# Altium PCB PCB_3_3G_wireless.PcbDoc (part 1 of 6)
Units mm, origin at the board's own origin, x right, y up, seen from the top; angles counter-clockwise.
Board outline 800 x 450.44 mm, 4 copper layers (Top Layer, Y1, S2, Bottom Layer), stack 0.778 mm thick; 1293 components, 1283 nets, 3356 pads, 970 vias.
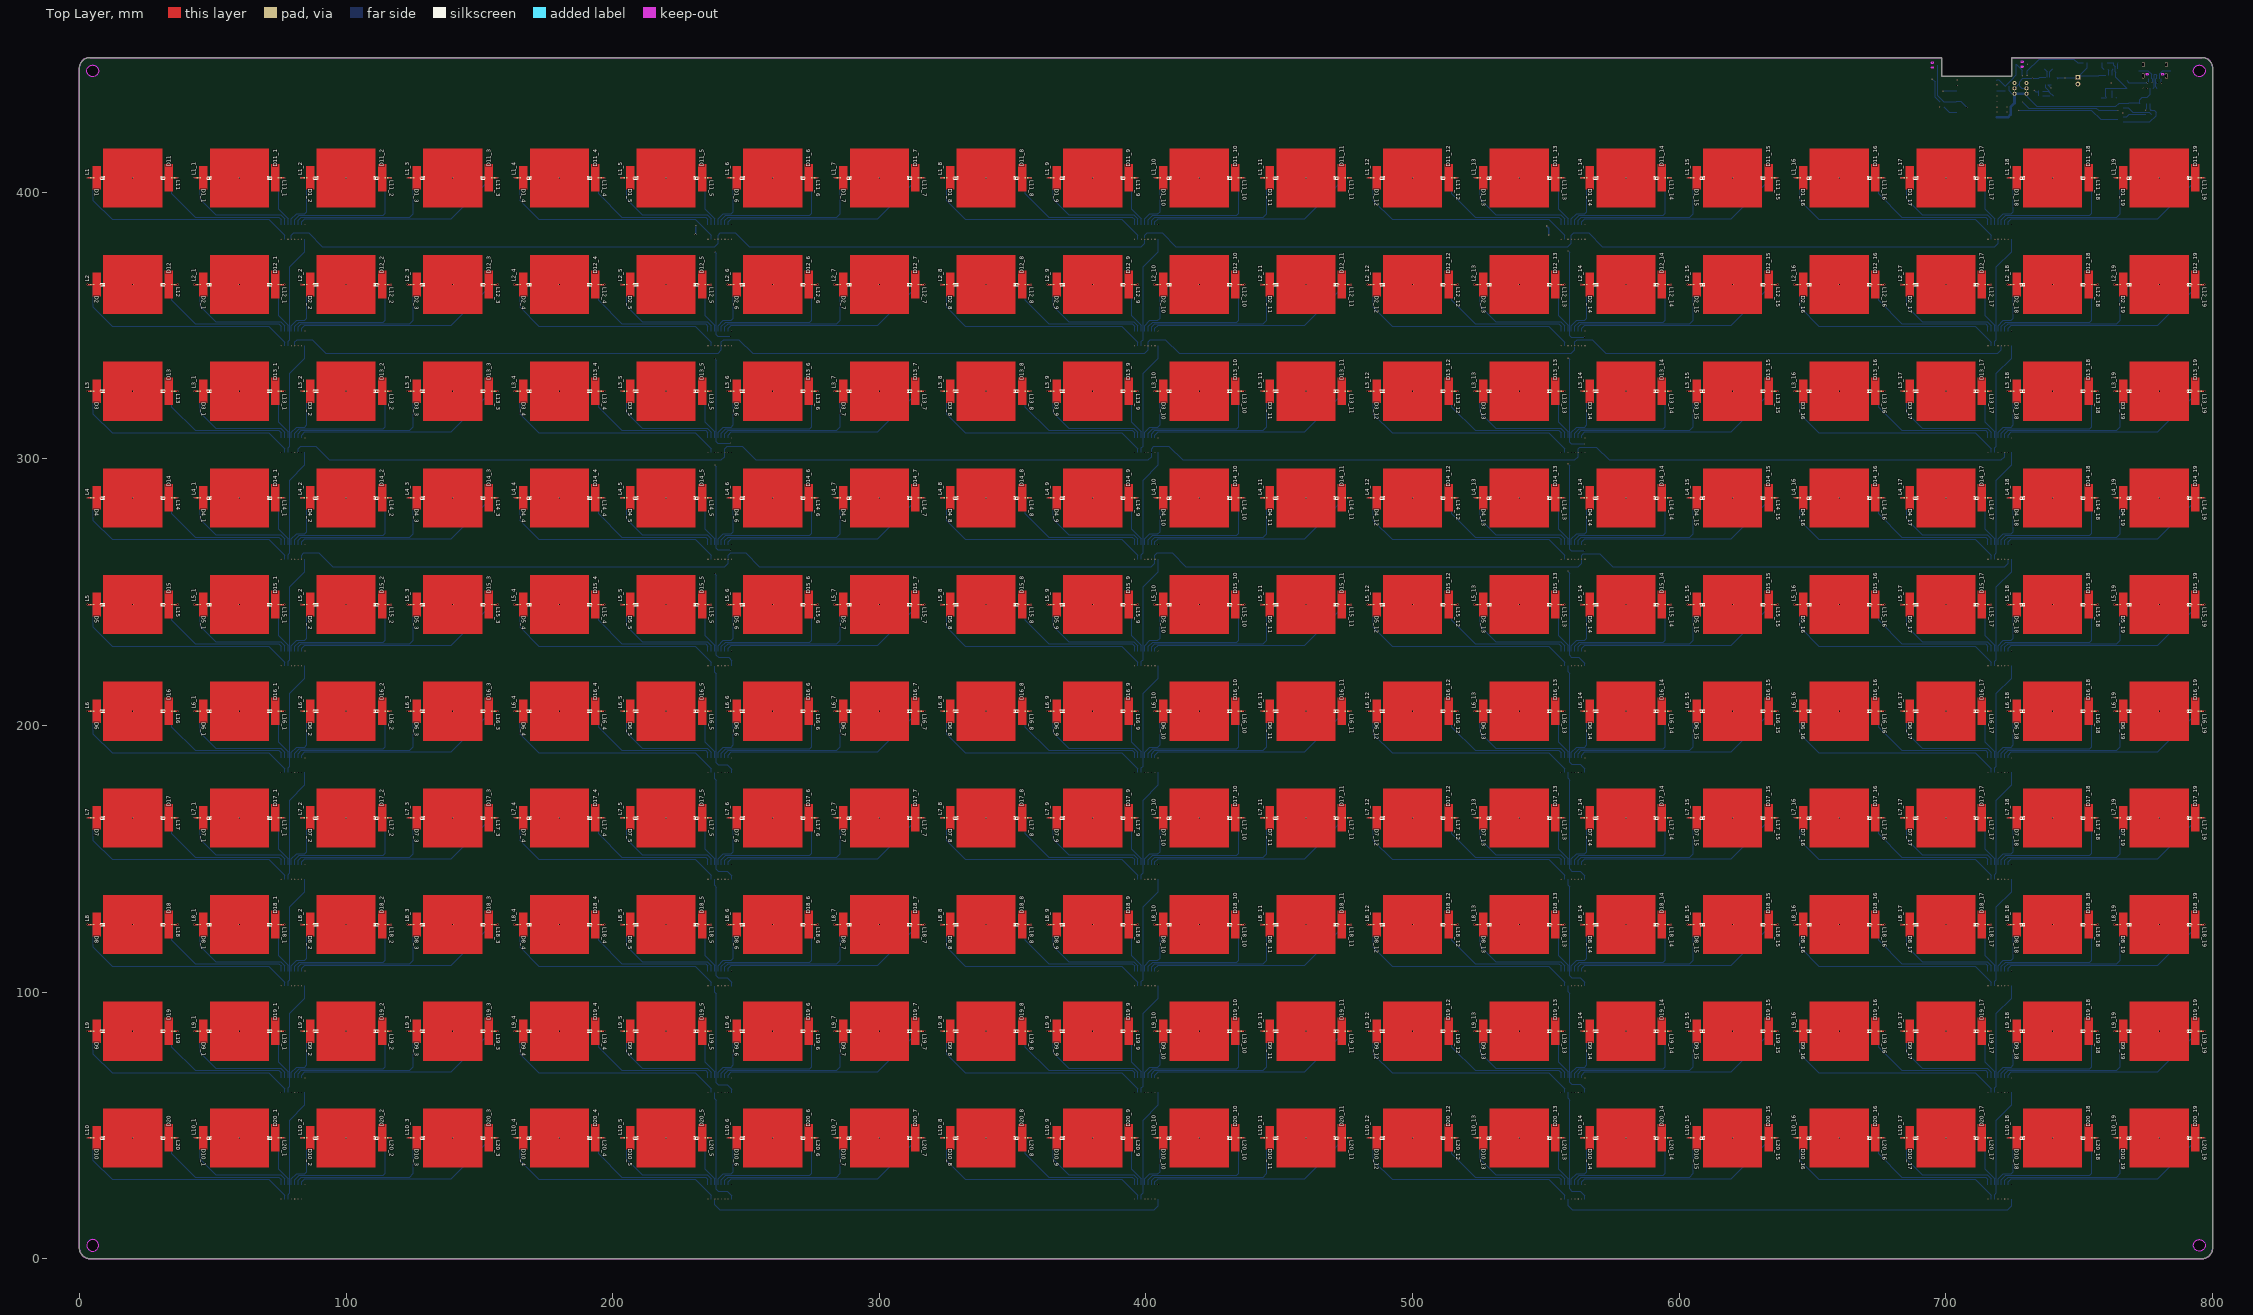
[diagram p0: Top Layer view]
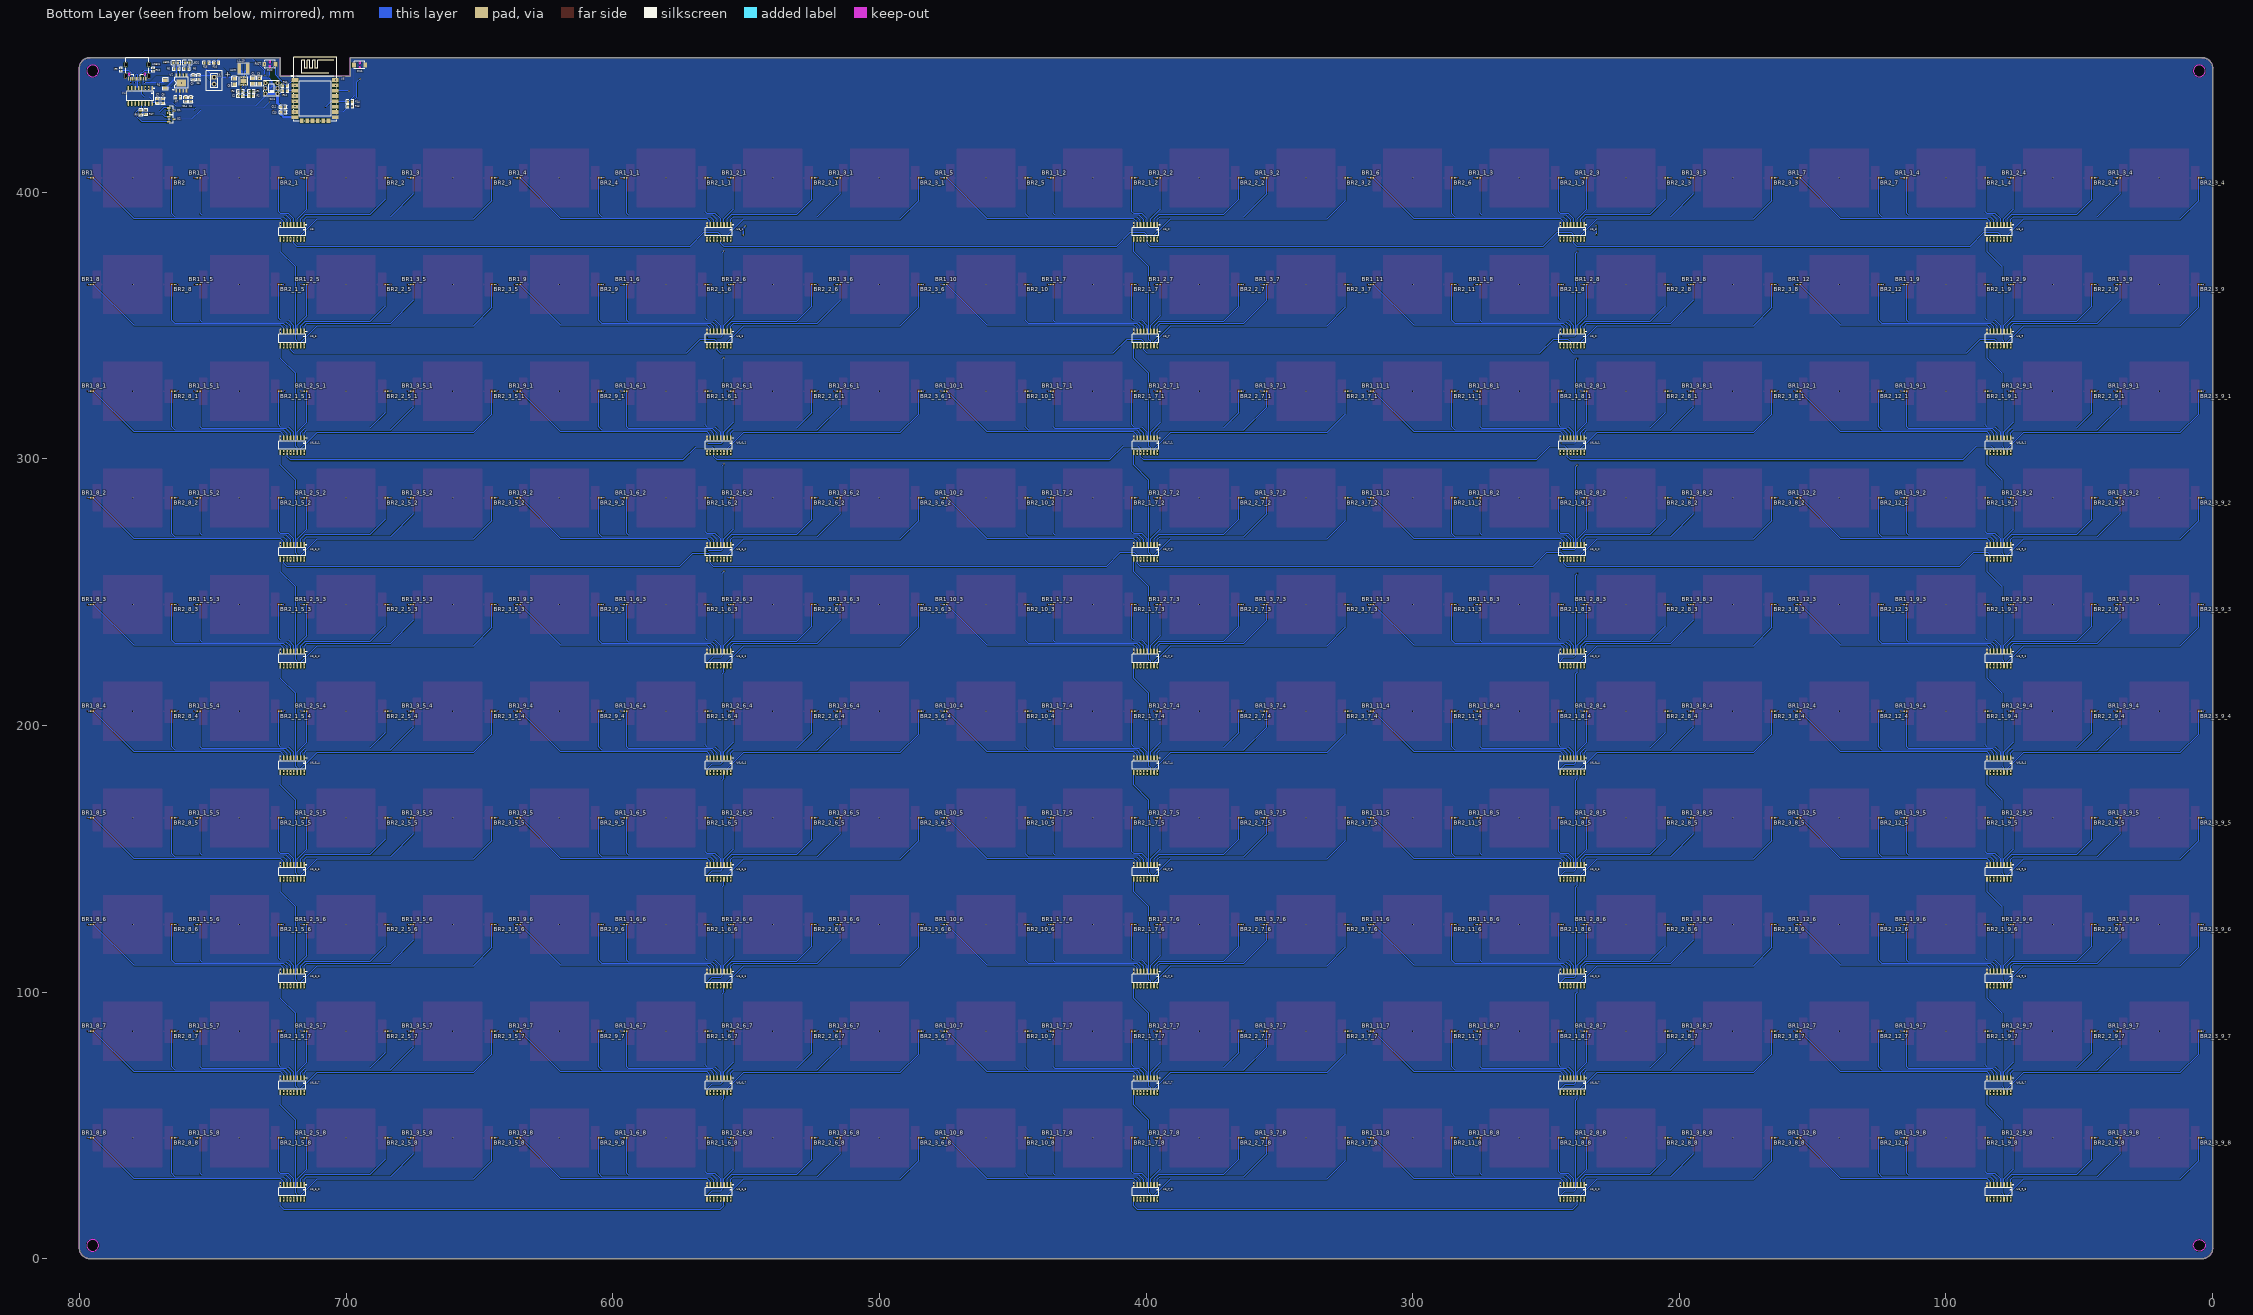
[diagram p1: Bottom Layer view, seen from below]
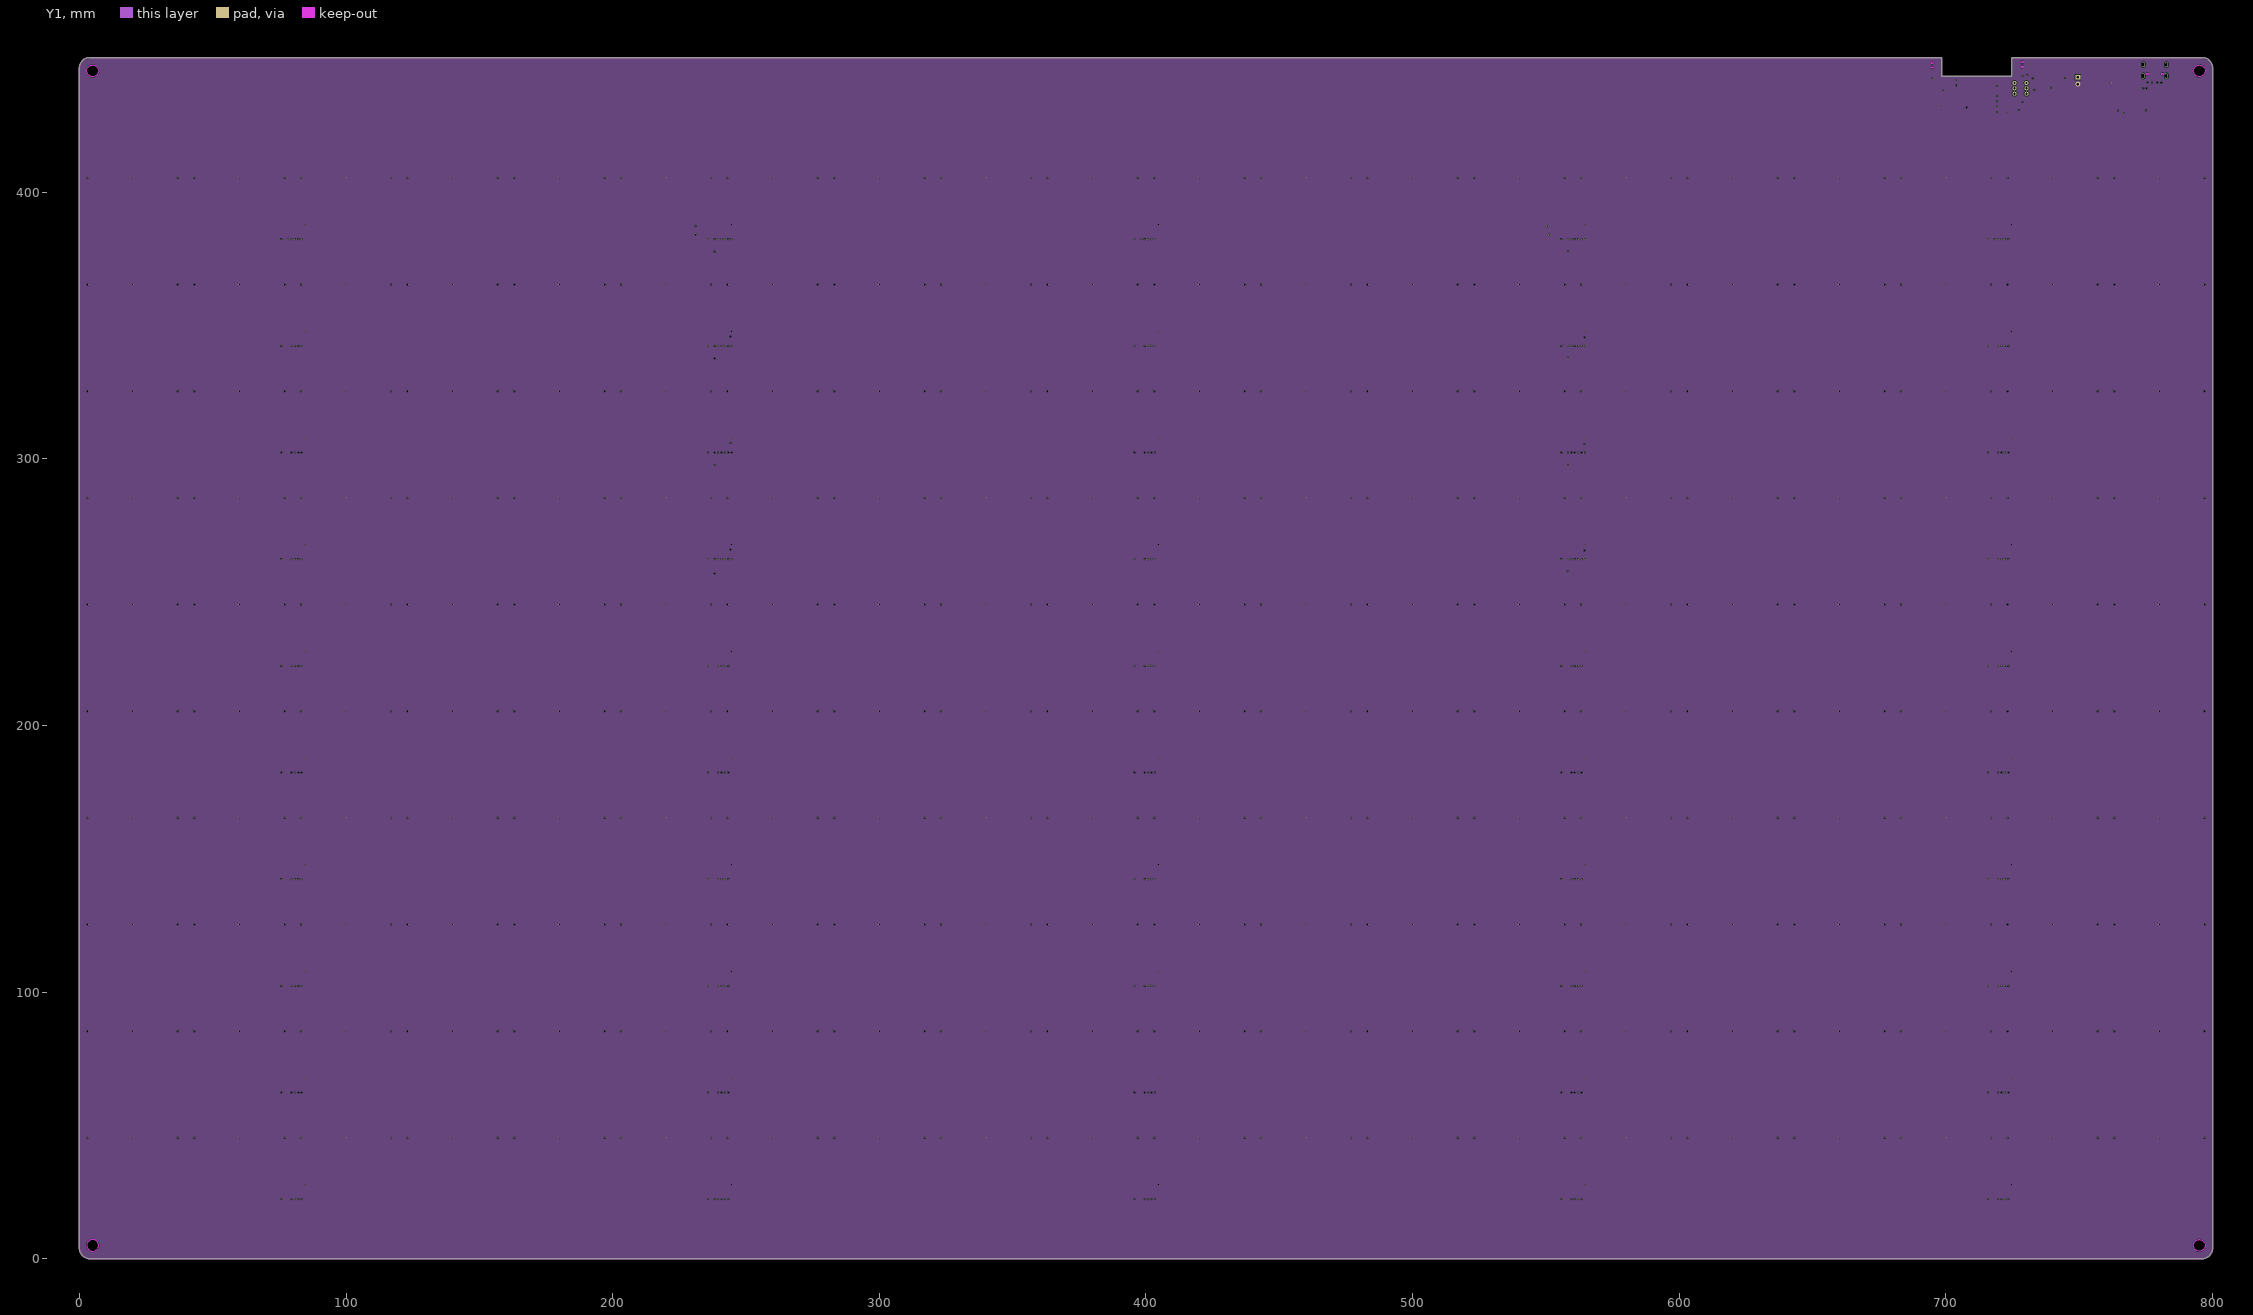
[diagram p2: Y1]
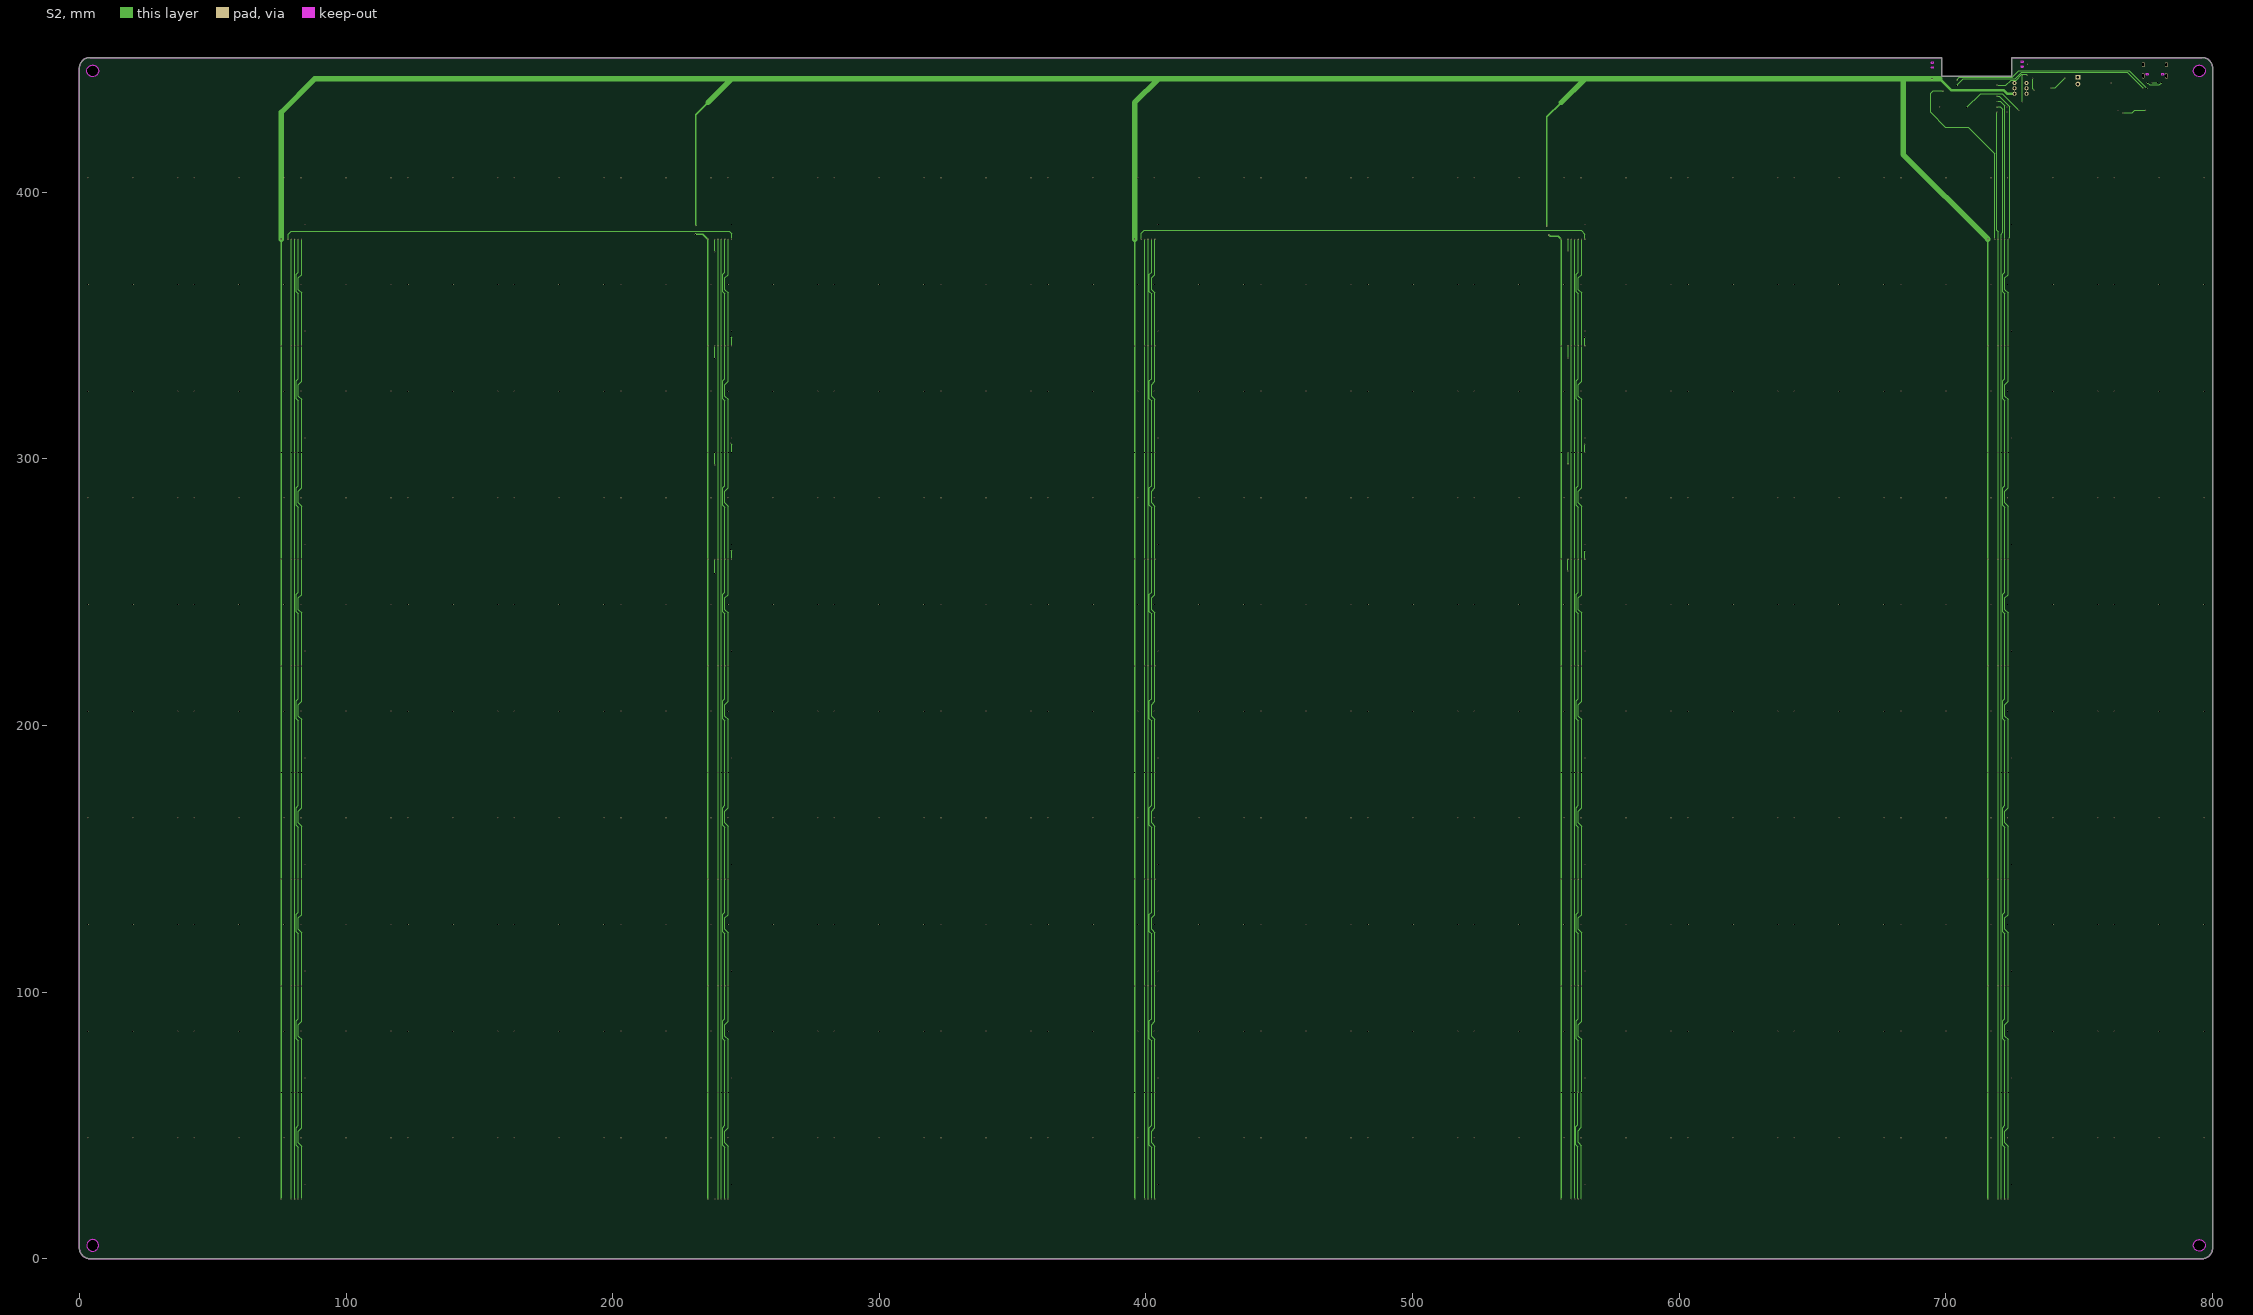
[diagram p3: S2]

## Layer stack, top to bottom
Top Solder: solder mask 0.0102, Solder Resist, Dk 3.5
Top Layer: signal copper 0.0356
Dielectric 1: core 0.254, FR-4, Dk 4.2
Y1: signal copper 0.036
Dielectric 2: core 0.254, Dk 4.2
S2: signal copper 0.036
Dielectric 3: prepreg 0.127, Dk 4.2
Bottom Layer: signal copper 0.0356
Bottom Solder: solder mask 0.0102, Solder Resist, Dk 3.5

## Board outline
0,4 0,446.444 cw(c4,446.444) 4,450.444 698.43,450.444 698.43,443.494 724.686,443.494 724.686,450.317 724.813,450.444 796,450.444 cw(c796,446.444) 800,446.444 800,4 cw(c796,4) 796,0 4,0 cw(c4,4)
cut-out: 795,443.244 cw(c795,445.444) 792.8,445.444 cw(c795,445.444) 795,447.644 cw(c795,445.444) 797.2,445.444 cw(c795,445.444)
cut-out: 795,2.8 cw(c795,5) 792.8,5 cw(c795,5) 795,7.2 cw(c795,5) 797.2,5 cw(c795,5)
cut-out: 2.8,5 ccw(c5,5) 5,2.8 ccw(c5,5) 7.2,5 ccw(c5,5) 5,7.2 ccw(c5,5)
cut-out: 5,443.244 cw(c5,445.444) 2.8,445.444 cw(c5,445.444) 5,447.644 cw(c5,445.444) 7.2,445.444 cw(c5,445.444)
cut-out: 781.228,443.808 cw(c781.228,444.195) 780.841,444.195 cw(c781.228,444.195) 781.228,444.582 cw(c781.228,444.195) 781.615,444.195 cw(c781.228,444.195)
cut-out: 775.462,443.808 cw(c775.462,444.195) 775.075,444.195 cw(c775.462,444.195) 775.462,444.582 cw(c775.462,444.195) 775.849,444.195 cw(c775.462,444.195)
cut-out: 728.523,448.457 cw(c728.523,448.843) 728.136,448.843 cw(c728.523,448.843) 728.523,449.23 cw(c728.523,448.843) 728.91,448.843 cw(c728.523,448.843)
cut-out: 728.523,446.653 cw(c728.523,447.04) 728.136,447.04 cw(c728.523,447.04) 728.523,447.427 cw(c728.523,447.04) 728.91,447.04 cw(c728.523,447.04)

## Design rules (kind name [scope] priority, off if disabled: settings)
Clearance [All] p1: gap=0.254 except(0.1: Via-Poly; 0.127: Track-Track Track-SMDPad Track-THPad Track-Via SMDPad-SMDPad)
MinimumSolderMaskSliver [All] p1: minsoldermaskwidth=0
PolygonConnect [All] p1: connectstyle=Direct reliefconductorwidth=0.254 reliefentries=4 polygonreliefangle="90 Angle" airgapwidth=0.254
RoutingVias [All] p1: holewidth=0.711 width=1.27 viastyle="Through Hole" minholewidth=0.711 minwidth=1.27 maxholewidth=0.711 maxwidth=1.27
SilkToSilkClearance [All] p1: silktosilkclearance=0.025
SilkToSolderMaskClearance [IsPad] p1: minsilkscreentomaskgap=0 clearancetoexposedcopper=TRUE
SolderMaskExpansion [All] p1: expansion=0.102
Width [All] p1: maxlimit=2 minlimit=0.127 preferedwidth=0.254
27 further rules are at their usual default settings.

## Components (designator, comment, footprint, x,y, rotation, side; value= is the part's Value field where it differs from the comment)
BR1 "Comment" 0402 795.223,405.308 r0 bottom
BR1_1 "Comment" 0402 755.223,405.308 r0 bottom
BR1_1_1 "Comment" 0402 595.223,405.308 r0 bottom
BR1_1_2 "Comment" 0402 435.223,405.308 r0 bottom
BR1_1_3 "Comment" 0402 275.223,405.308 r0 bottom
BR1_1_4 "Comment" 0402 115.223,405.308 r0 bottom
BR1_1_5 "Comment" 0402 755.223,365.308 r0 bottom
BR1_1_5_1 "Comment" 0402 755.223,325.308 r0 bottom
BR1_1_5_2 "Comment" 0402 755.223,285.308 r0 bottom
BR1_1_5_3 "Comment" 0402 755.223,245.308 r0 bottom
BR1_1_5_4 "Comment" 0402 755.223,205.308 r0 bottom
BR1_1_5_5 "Comment" 0402 755.223,165.308 r0 bottom
BR1_1_5_6 "Comment" 0402 755.223,125.308 r0 bottom
BR1_1_5_7 "Comment" 0402 755.223,85.308 r0 bottom
BR1_1_5_8 "Comment" 0402 755.223,45.308 r0 bottom
BR1_1_6 "Comment" 0402 595.223,365.308 r0 bottom
BR1_1_6_1 "Comment" 0402 595.223,325.308 r0 bottom
BR1_1_6_2 "Comment" 0402 595.223,285.308 r0 bottom
BR1_1_6_3 "Comment" 0402 595.223,245.308 r0 bottom
BR1_1_6_4 "Comment" 0402 595.223,205.308 r0 bottom
BR1_1_6_5 "Comment" 0402 595.223,165.308 r0 bottom
BR1_1_6_6 "Comment" 0402 595.223,125.308 r0 bottom
BR1_1_6_7 "Comment" 0402 595.223,85.308 r0 bottom
BR1_1_6_8 "Comment" 0402 595.223,45.308 r0 bottom
BR1_1_7 "Comment" 0402 435.223,365.308 r0 bottom
BR1_1_7_1 "Comment" 0402 435.223,325.308 r0 bottom
BR1_1_7_2 "Comment" 0402 435.223,285.308 r0 bottom
BR1_1_7_3 "Comment" 0402 435.223,245.308 r0 bottom
BR1_1_7_4 "Comment" 0402 435.223,205.308 r0 bottom
BR1_1_7_5 "Comment" 0402 435.223,165.308 r0 bottom
BR1_1_7_6 "Comment" 0402 435.223,125.308 r0 bottom
BR1_1_7_7 "Comment" 0402 435.223,85.308 r0 bottom
BR1_1_7_8 "Comment" 0402 435.223,45.308 r0 bottom
BR1_1_8 "Comment" 0402 275.223,365.308 r0 bottom
BR1_1_8_1 "Comment" 0402 275.223,325.308 r0 bottom
BR1_1_8_2 "Comment" 0402 275.223,285.308 r0 bottom
BR1_1_8_3 "Comment" 0402 275.223,245.308 r0 bottom
BR1_1_8_4 "Comment" 0402 275.223,205.308 r0 bottom
BR1_1_8_5 "Comment" 0402 275.223,165.308 r0 bottom
BR1_1_8_6 "Comment" 0402 275.223,125.308 r0 bottom
BR1_1_8_7 "Comment" 0402 275.223,85.308 r0 bottom
BR1_1_8_8 "Comment" 0402 275.223,45.308 r0 bottom
BR1_1_9 "Comment" 0402 115.223,365.308 r0 bottom
BR1_1_9_1 "Comment" 0402 115.223,325.308 r0 bottom
BR1_1_9_2 "Comment" 0402 115.223,285.308 r0 bottom
BR1_1_9_3 "Comment" 0402 115.223,245.308 r0 bottom
BR1_1_9_4 "Comment" 0402 115.223,205.308 r0 bottom
BR1_1_9_5 "Comment" 0402 115.223,165.308 r0 bottom
BR1_1_9_6 "Comment" 0402 115.223,125.308 r0 bottom
BR1_1_9_7 "Comment" 0402 115.223,85.308 r0 bottom
BR1_1_9_8 "Comment" 0402 115.223,45.308 r0 bottom
BR1_2 "Comment" 0402 715.223,405.308 r0 bottom
BR1_2_1 "Comment" 0402 555.223,405.308 r0 bottom
BR1_2_2 "Comment" 0402 395.223,405.308 r0 bottom
BR1_2_3 "Comment" 0402 235.223,405.308 r0 bottom
BR1_2_4 "Comment" 0402 75.223,405.308 r0 bottom
BR1_2_5 "Comment" 0402 715.223,365.308 r0 bottom
BR1_2_5_1 "Comment" 0402 715.223,325.308 r0 bottom
BR1_2_5_2 "Comment" 0402 715.223,285.308 r0 bottom
BR1_2_5_3 "Comment" 0402 715.223,245.308 r0 bottom
BR1_2_5_4 "Comment" 0402 715.223,205.308 r0 bottom
BR1_2_5_5 "Comment" 0402 715.223,165.308 r0 bottom
BR1_2_5_6 "Comment" 0402 715.223,125.308 r0 bottom
BR1_2_5_7 "Comment" 0402 715.223,85.308 r0 bottom
BR1_2_5_8 "Comment" 0402 715.223,45.308 r0 bottom
BR1_2_6 "Comment" 0402 555.223,365.308 r0 bottom
BR1_2_6_1 "Comment" 0402 555.223,325.308 r0 bottom
BR1_2_6_2 "Comment" 0402 555.223,285.308 r0 bottom
BR1_2_6_3 "Comment" 0402 555.223,245.308 r0 bottom
BR1_2_6_4 "Comment" 0402 555.223,205.308 r0 bottom
BR1_2_6_5 "Comment" 0402 555.223,165.308 r0 bottom
BR1_2_6_6 "Comment" 0402 555.223,125.308 r0 bottom
BR1_2_6_7 "Comment" 0402 555.223,85.308 r0 bottom
BR1_2_6_8 "Comment" 0402 555.223,45.308 r0 bottom
BR1_2_7 "Comment" 0402 395.223,365.308 r0 bottom
BR1_2_7_1 "Comment" 0402 395.223,325.308 r0 bottom
BR1_2_7_2 "Comment" 0402 395.223,285.308 r0 bottom
BR1_2_7_3 "Comment" 0402 395.223,245.308 r0 bottom
BR1_2_7_4 "Comment" 0402 395.223,205.308 r0 bottom
BR1_2_7_5 "Comment" 0402 395.223,165.308 r0 bottom
BR1_2_7_6 "Comment" 0402 395.223,125.308 r0 bottom
BR1_2_7_7 "Comment" 0402 395.223,85.308 r0 bottom
BR1_2_7_8 "Comment" 0402 395.223,45.308 r0 bottom
BR1_2_8 "Comment" 0402 235.223,365.308 r0 bottom
BR1_2_8_1 "Comment" 0402 235.223,325.308 r0 bottom
BR1_2_8_2 "Comment" 0402 235.223,285.308 r0 bottom
BR1_2_8_3 "Comment" 0402 235.223,245.308 r0 bottom
BR1_2_8_4 "Comment" 0402 235.223,205.308 r0 bottom
BR1_2_8_5 "Comment" 0402 235.223,165.308 r0 bottom
BR1_2_8_6 "Comment" 0402 235.223,125.308 r0 bottom
BR1_2_8_7 "Comment" 0402 235.223,85.308 r0 bottom
BR1_2_8_8 "Comment" 0402 235.223,45.308 r0 bottom
BR1_2_9 "Comment" 0402 75.223,365.308 r0 bottom
BR1_2_9_1 "Comment" 0402 75.223,325.308 r0 bottom
BR1_2_9_2 "Comment" 0402 75.223,285.308 r0 bottom
BR1_2_9_3 "Comment" 0402 75.223,245.308 r0 bottom
BR1_2_9_4 "Comment" 0402 75.223,205.308 r0 bottom
BR1_2_9_5 "Comment" 0402 75.223,165.308 r0 bottom
BR1_2_9_6 "Comment" 0402 75.223,125.308 r0 bottom
BR1_2_9_7 "Comment" 0402 75.223,85.308 r0 bottom
BR1_2_9_8 "Comment" 0402 75.223,45.308 r0 bottom
BR1_3 "Comment" 0402 675.223,405.308 r0 bottom
BR1_3_1 "Comment" 0402 515.223,405.308 r0 bottom
BR1_3_2 "Comment" 0402 355.223,405.308 r0 bottom
BR1_3_3 "Comment" 0402 195.223,405.308 r0 bottom
BR1_3_4 "Comment" 0402 35.223,405.308 r0 bottom
BR1_3_5 "Comment" 0402 675.223,365.308 r0 bottom
BR1_3_5_1 "Comment" 0402 675.223,325.308 r0 bottom
BR1_3_5_2 "Comment" 0402 675.223,285.308 r0 bottom
BR1_3_5_3 "Comment" 0402 675.223,245.308 r0 bottom
BR1_3_5_4 "Comment" 0402 675.223,205.308 r0 bottom
BR1_3_5_5 "Comment" 0402 675.223,165.308 r0 bottom
BR1_3_5_6 "Comment" 0402 675.223,125.308 r0 bottom
BR1_3_5_7 "Comment" 0402 675.223,85.308 r0 bottom
BR1_3_5_8 "Comment" 0402 675.223,45.308 r0 bottom
BR1_3_6 "Comment" 0402 515.223,365.308 r0 bottom
BR1_3_6_1 "Comment" 0402 515.223,325.308 r0 bottom
BR1_3_6_2 "Comment" 0402 515.223,285.308 r0 bottom
BR1_3_6_3 "Comment" 0402 515.223,245.308 r0 bottom
BR1_3_6_4 "Comment" 0402 515.223,205.308 r0 bottom
BR1_3_6_5 "Comment" 0402 515.223,165.308 r0 bottom
BR1_3_6_6 "Comment" 0402 515.223,125.308 r0 bottom
BR1_3_6_7 "Comment" 0402 515.223,85.308 r0 bottom
BR1_3_6_8 "Comment" 0402 515.223,45.308 r0 bottom
BR1_3_7 "Comment" 0402 355.223,365.308 r0 bottom
BR1_3_7_1 "Comment" 0402 355.223,325.308 r0 bottom
BR1_3_7_2 "Comment" 0402 355.223,285.308 r0 bottom
BR1_3_7_3 "Comment" 0402 355.223,245.308 r0 bottom
BR1_3_7_4 "Comment" 0402 355.223,205.308 r0 bottom
BR1_3_7_5 "Comment" 0402 355.223,165.308 r0 bottom
BR1_3_7_6 "Comment" 0402 355.223,125.308 r0 bottom
BR1_3_7_7 "Comment" 0402 355.223,85.308 r0 bottom
BR1_3_7_8 "Comment" 0402 355.223,45.308 r0 bottom
BR1_3_8 "Comment" 0402 195.223,365.308 r0 bottom
BR1_3_8_1 "Comment" 0402 195.223,325.308 r0 bottom
BR1_3_8_2 "Comment" 0402 195.223,285.308 r0 bottom
BR1_3_8_3 "Comment" 0402 195.223,245.308 r0 bottom
BR1_3_8_4 "Comment" 0402 195.223,205.308 r0 bottom
BR1_3_8_5 "Comment" 0402 195.223,165.308 r0 bottom
BR1_3_8_6 "Comment" 0402 195.223,125.308 r0 bottom
BR1_3_8_7 "Comment" 0402 195.223,85.308 r0 bottom
BR1_3_8_8 "Comment" 0402 195.223,45.308 r0 bottom
BR1_3_9 "Comment" 0402 35.223,365.308 r0 bottom
BR1_3_9_1 "Comment" 0402 35.223,325.308 r0 bottom
BR1_3_9_2 "Comment" 0402 35.223,285.308 r0 bottom
BR1_3_9_3 "Comment" 0402 35.223,245.308 r0 bottom
BR1_3_9_4 "Comment" 0402 35.223,205.308 r0 bottom
BR1_3_9_5 "Comment" 0402 35.223,165.308 r0 bottom
BR1_3_9_6 "Comment" 0402 35.223,125.308 r0 bottom
BR1_3_9_7 "Comment" 0402 35.223,85.308 r0 bottom
BR1_3_9_8 "Comment" 0402 35.223,45.308 r0 bottom
BR1_4 "Comment" 0402 635.223,405.308 r0 bottom
BR1_5 "Comment" 0402 475.223,405.308 r0 bottom
BR1_6 "Comment" 0402 315.223,405.308 r0 bottom
BR1_7 "Comment" 0402 155.223,405.308 r0 bottom
BR1_8 "Comment" 0402 795.223,365.308 r0 bottom
BR1_8_1 "Comment" 0402 795.223,325.308 r0 bottom
BR1_8_2 "Comment" 0402 795.223,285.308 r0 bottom
BR1_8_3 "Comment" 0402 795.223,245.308 r0 bottom
BR1_8_4 "Comment" 0402 795.223,205.308 r0 bottom
BR1_8_5 "Comment" 0402 795.223,165.308 r0 bottom
BR1_8_6 "Comment" 0402 795.223,125.308 r0 bottom
BR1_8_7 "Comment" 0402 795.223,85.308 r0 bottom
BR1_8_8 "Comment" 0402 795.223,45.308 r0 bottom
BR1_9 "Comment" 0402 635.223,365.308 r0 bottom
BR1_9_1 "Comment" 0402 635.223,325.308 r0 bottom
BR1_9_2 "Comment" 0402 635.223,285.308 r0 bottom
BR1_9_3 "Comment" 0402 635.223,245.308 r0 bottom
BR1_9_4 "Comment" 0402 635.223,205.308 r0 bottom
BR1_9_5 "Comment" 0402 635.223,165.308 r0 bottom
BR1_9_6 "Comment" 0402 635.223,125.308 r0 bottom
BR1_9_7 "Comment" 0402 635.223,85.308 r0 bottom
BR1_9_8 "Comment" 0402 635.223,45.308 r0 bottom
BR1_10 "Comment" 0402 475.223,365.308 r0 bottom
BR1_10_1 "Comment" 0402 475.223,325.308 r0 bottom
BR1_10_2 "Comment" 0402 475.223,285.308 r0 bottom
BR1_10_3 "Comment" 0402 475.223,245.308 r0 bottom
BR1_10_4 "Comment" 0402 475.223,205.308 r0 bottom
BR1_10_5 "Comment" 0402 475.223,165.308 r0 bottom
BR1_10_6 "Comment" 0402 475.223,125.308 r0 bottom
BR1_10_7 "Comment" 0402 475.223,85.308 r0 bottom
BR1_10_8 "Comment" 0402 475.223,45.308 r0 bottom
BR1_11 "Comment" 0402 315.223,365.308 r0 bottom
BR1_11_1 "Comment" 0402 315.223,325.308 r0 bottom
BR1_11_2 "Comment" 0402 315.223,285.308 r0 bottom
BR1_11_3 "Comment" 0402 315.223,245.308 r0 bottom
BR1_11_4 "Comment" 0402 315.223,205.308 r0 bottom
BR1_11_5 "Comment" 0402 315.223,165.308 r0 bottom
BR1_11_6 "Comment" 0402 315.223,125.308 r0 bottom
BR1_11_7 "Comment" 0402 315.223,85.308 r0 bottom
BR1_11_8 "Comment" 0402 315.223,45.308 r0 bottom
BR1_12 "Comment" 0402 155.223,365.308 r0 bottom
BR1_12_1 "Comment" 0402 155.223,325.308 r0 bottom
BR1_12_2 "Comment" 0402 155.223,285.308 r0 bottom
BR1_12_3 "Comment" 0402 155.223,245.308 r0 bottom
BR1_12_4 "Comment" 0402 155.223,205.308 r0 bottom
BR1_12_5 "Comment" 0402 155.223,165.308 r0 bottom
BR1_12_6 "Comment" 0402 155.223,125.308 r0 bottom
BR1_12_7 "Comment" 0402 155.223,85.308 r0 bottom
BR1_12_8 "Comment" 0402 155.223,45.308 r0 bottom
BR2 "Comment" 0402 764.776,405.308 r180 bottom
BR2_1 "Comment" 0402 724.776,405.308 r180 bottom
BR2_1_1 "Comment" 0402 564.776,405.308 r180 bottom
BR2_1_2 "Comment" 0402 404.776,405.308 r180 bottom
BR2_1_3 "Comment" 0402 244.776,405.308 r180 bottom
BR2_1_4 "Comment" 0402 84.776,405.308 r180 bottom
BR2_1_5 "Comment" 0402 724.776,365.308 r180 bottom
BR2_1_5_1 "Comment" 0402 724.776,325.308 r180 bottom
BR2_1_5_2 "Comment" 0402 724.776,285.308 r180 bottom
BR2_1_5_3 "Comment" 0402 724.776,245.308 r180 bottom
BR2_1_5_4 "Comment" 0402 724.776,205.308 r180 bottom
BR2_1_5_5 "Comment" 0402 724.776,165.308 r180 bottom